# Altium PCB CL-HC-M-V2.2.PcbDoc (part 17 of 18)
Units mil, origin at the board's own origin, x right, y up, seen from the top; angles counter-clockwise.
Board outline 27559.06 x 27559.06 mil, 2 copper layers (TopLayer, BottomLayer); 684 components, 528 nets, 2380 pads, 1851 vias.
Unrouted connection lines stored in the file: 1268.
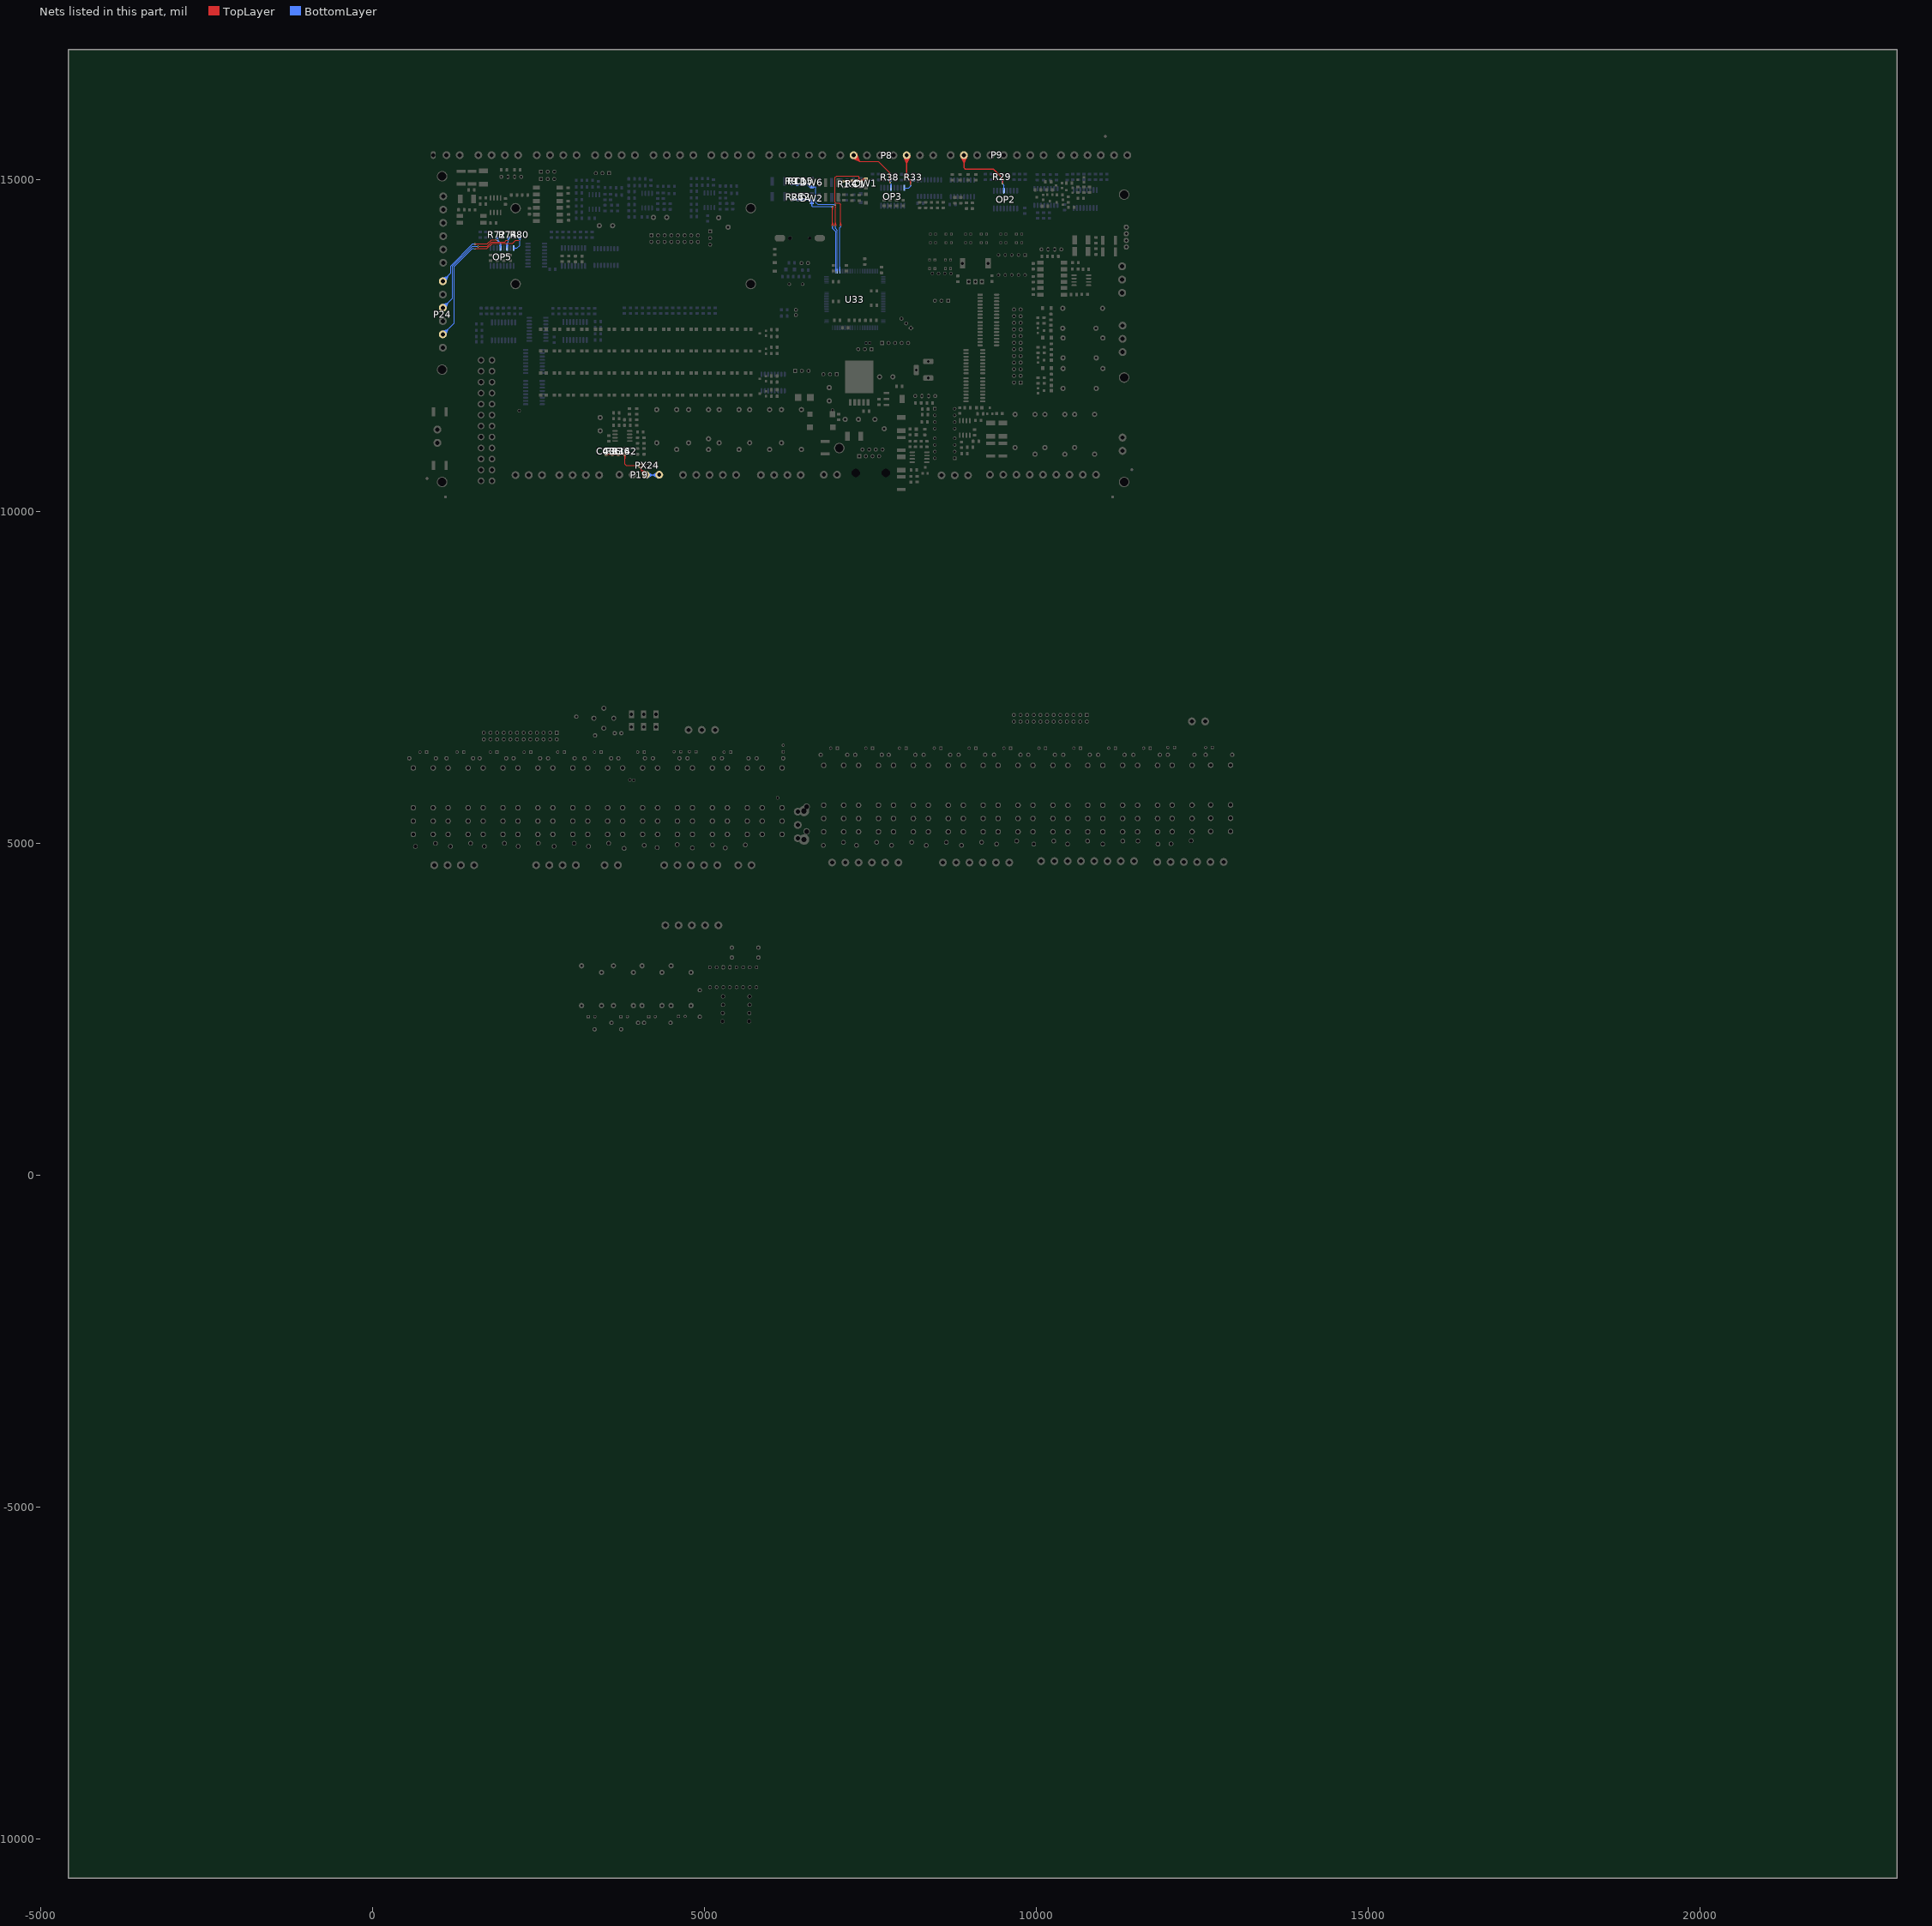
[diagram p17: the nets of this part, all layers, seen from the top]

## Via types
v1: diameter 25, hole 15, TopLayer to BottomLayer, tented both sides, 1813 vias
v2: diameter 20, hole 12, TopLayer to BottomLayer, tented both sides, 24 vias
v3: diameter 25, hole 15, TopLayer to BottomLayer, 13 vias
v4: diameter 40, hole 24, TopLayer to BottomLayer, tented both sides, 1 vias

## Nets (pads, with @x,y where several pads share a name; then routed paths per layer and width w, separated by ;. In a path a pad name is that pad's centre, name@x,y a point inside that pad or via, vN(x,y) a via of type N, cw(c..) or ccw(c..) an arc to the next point about the centre after c; other vN are vias at no path point) (continued)
自动门开关4: OP5.4 P24.6 R72.2 | length 3367
  TopLayer w10: v1(1543.41,14032.26) 1728.76,14032.26 1791.05,14094.55 v1(1877.38,14094.55) ; v1@1544.07,14024.79 1585.91,14032.26 v1@1544.07,14039.73 ; v1@1876.71,14087.08 1834.88,14094.55 v1@1876.71,14102.02
  BottomLayer w10: P24.6@1030.62,13515.42 1138.91,13549.47 ; P24.6@1034.13,13505.8 1138.91,13549.47 ; P24.6@1038.45,13496.62 1138.91,13549.47 ; P24.6@1043.53,13487.92 1138.91,13549.47 ; P24.6@1049.34,13479.73 1138.91,13549.47 ; P24.6@1058.64,13469.2 1181.72,13592.27 1181.72,13701.21 1512.77,14032.26 ; P24.6@1069.18,13459.9 1138.91,13549.47 ; P24.6@1077.36,13454.09 1138.91,13549.47 ; P24.6@1086.06,13449 1138.91,13549.47 ; P24.6@1095.25,13444.68 1138.91,13549.47 ; P24.6@1104.87,13441.18 1138.91,13549.47 ; v1@1542.49,14024.82 1512.77,14032.26 ; v1@1542.49,14039.71 1512.77,14032.26 ; v1@1870.27,14092.16 R72.2@1862.72,14126.35 ; v1@1870.94,14098.4 R72.2@1892.03,14126.35 ; v1@1872.51,14088.85 1911.09,14060.84 v1@1883.08,14099.42 ; v1@1883.81,14098.4 R72.2@1862.72,14126.35 ; v1@1884.48,14092.16 R72.2@1892.03,14126.35 ; OP5.4@1917.82,14001.17 1927.76,14044.16 ; OP5.4@1927.76,13970.04 1927.76,14044.16 ; OP5.4@1927.76,14000.04 1927.76,14044.16 ; OP5.4@1937.69,14001.17 1927.76,14044.16 ; 1512.77,14032.26 v1(1543.41,14032.26) 1512.77,14032.26 ; R72.2@1862.72,14126.35 v1(1877.38,14094.55) ; R72.2@1862.72,14126.35 v1(1877.38,14094.55) ; v1(1877.38,14094.55) R72.2@1877.38,14129.57 ; v1(1877.38,14094.55) 1927.76,14044.16 ; v1(1877.38,14094.55) R72.2@1892.03,14126.35 ; v1(1877.38,14094.55) R72.2@1877.38,14129.57 ; R72.2@1877.38,14129.57 1869.92,14095.35 R72.2@1877.38,14129.57 ; R72.2@1877.38,14129.57 1884.83,14095.35 R72.2@1877.38,14129.57
自动门开关5: OP5.6 P24.4 R74.2 | length 3623.8
  TopLayer w10: v1@1590.34,14001.77 1632.42,13995.41 ; v1@1590.74,13986.84 1632.42,13995.41 ; v2(2048.21,14084.71) 2012.5,14084.71 1991.24,14063.45 1796.8,14063.45 1728.76,13995.41 1588.76,13995.41 v1(1589.88,13994.29) 1632.42,13995.41
  BottomLayer w10: P24.4@1030.62,13115.42 1138.91,13149.47 ; P24.4@1034.13,13105.8 1138.91,13149.47 ; P24.4@1038.45,13096.62 1138.91,13149.47 ; P24.4@1043.53,13087.92 1138.91,13149.47 ; P24.4@1049.34,13079.73 1138.91,13149.47 ; P24.4@1058.64,13069.2 1205.52,13216.07 1205.52,13696.72 1503.09,13994.29 v1(1589.88,13994.29) 1547.38,13994.29 ; P24.4@1069.18,13059.9 1138.91,13149.47 ; P24.4@1077.36,13054.09 1138.91,13149.47 ; P24.4@1086.06,13049 1138.91,13149.47 ; P24.4@1095.25,13044.68 1138.91,13149.47 ; P24.4@1104.87,13041.18 1138.91,13149.47 ; v1@1589.22,13986.82 1547.38,13994.29 ; v1@1589.22,14001.76 1547.38,13994.29 ; OP5.6@2017.83,14001.19 2027.76,14043.28 ; OP5.6@2027.76,13970.04 2027.76,14043.28 ; OP5.6@2027.76,14000.04 2027.76,14043.28 ; R74.2@2032.54,14126.11 2047.38,14078.36 R74.2@2062.21,14126.11 ; R74.2@2033.55,14122.87 v2(2048.21,14084.71) ; OP5.6@2037.69,14001.19 2027.76,14043.28 ; R74.2@2047.38,14124.73 v2(2048.21,14084.71) ; R74.2@2047.38,14128.36 2047.38,14062.9 ; R74.2@2061.28,14123.13 v2(2048.21,14084.71) ; 2027.76,14043.28 2047.38,14062.9 ; 2047.38,14062.9 v2(2048.21,14084.71)
自动门开关6: OP5.8 P24.2 R80.2 | length 4206.1
  TopLayer w10: v1(1542.26,13963.11) 1724.74,13963.11 1805.08,14043.45 2113.53,14043.45 2155.07,14084.99 v2(2217.72,14085) ; v1@1542.92,13955.64 1584.76,13963.11 v1@1542.92,13970.58 ; 2177.72,14084.99 v2(2217.72,14085)
  BottomLayer w10: P24.2@1030.62,12715.42 1138.91,12749.47 ; P24.2@1034.13,12705.8 1138.91,12749.47 ; P24.2@1038.45,12696.62 1138.91,12749.47 ; P24.2@1043.53,12687.92 1138.91,12749.47 ; P24.2@1049.34,12679.73 1138.91,12749.47 ; P24.2@1058.64,12669.2 1230.46,12841.02 1230.46,13693.38 1500.19,13963.11 ; P24.2@1069.18,12659.9 1138.91,12749.47 ; P24.2@1077.36,12654.09 1138.91,12749.47 ; P24.2@1086.06,12649 1138.91,12749.47 ; P24.2@1095.25,12644.68 1138.91,12749.47 ; P24.2@1104.87,12641.18 1138.91,12749.47 ; v1@1541.59,13955.64 1500.19,13963.11 ; v1@1541.59,13970.58 1500.19,13963.11 ; OP5.8@2127.76,13970.04 2175.61,13970.04 2217.38,14011.81 R80.2@2217.38,14128.36 ; OP5.8@2128.87,13960.1 2172.76,13970.04 OP5.8@2128.87,13979.98 ; R80.2@2202.54,14126.11 2217.38,14078.36 R80.2@2232.21,14126.11 ; R80.2@2203.44,14123.22 v2(2217.72,14085) ; 2217.38,14045 v2(2217.72,14085) ; R80.2@2217.38,14125 v2(2217.72,14085) ; R80.2@2231.34,14123.33 v2(2217.72,14085) ; 1500.19,13963.11 v1(1542.26,13963.11) 1500.19,13963.11
设定温度: C15.1 DW6.K R9.1 R13.2 U33.41 | length 5150.4
  TopLayer w10: v1@6964.87,14307 6972.33,14348.84 ; v1@6964.87,14626.04 6972.34,14584.2 ; v1(6972.34,14306.34) v1(6972.34,14626.7) 6972.34,14584.2 ; v1(6972.34,14306.34) 6972.33,14348.84 ; v1@6979.81,14307 6972.33,14348.84 ; v1@6979.81,14626.04 6972.34,14584.2
  BottomLayer w10: DW6.K@6621.61,14893.35 6668.46,14893.35 ; DW6.K@6626.61,14893.35 6668.46,14893.35 ; DW6.K@6627.8,14883.42 6668.46,14893.35 ; DW6.K@6627.8,14903.28 6668.46,14893.35 ; DW6.K@6631.39,14873.93 6668.46,14893.35 ; DW6.K@6631.39,14912.77 6668.46,14893.35 ; v1@6964.88,14305.6 6972.34,14268.25 ; v1@6971.68,14619.23 6929.84,14626.7 ; v1@6971.68,14634.17 6929.84,14626.7 ; v1@6979.81,14305.6 6972.34,14268.25 ; U33.41@7002.7,13622.58 7002.7,14237.89 6972.34,14268.25 ; U33.41@7002.7,13652.83 7002.7,13687.58 ; 6668.46,14893.35 6680.75,14881.06 6680.75,14654.44 6708.49,14626.7 v1(6972.34,14626.7) 6929.84,14626.7 ; 6972.34,14268.25 v1(6972.34,14306.34) 6972.34,14268.25
  BottomLayer w15: R9.1@6313.23,14934.91 6539.51,14934.91 ; R9.1@6318.23,14934.91 R13.2@6383.23,14934.91 ; R9.1@6319.43,14922.47 R13.2@6383.23,14934.91 ; R9.1@6319.43,14947.36 R13.2@6383.23,14934.91 ; R13.2@6393.15,14920.81 R9.1@6332.17,14944.87 ; R13.2@6393.91,14945.03 R9.1@6330.77,14924.68 ; R13.2@6395.01,14920.42 R9.1@6331.56,14934.91 ; R13.2@6395.01,14920.42 R9.1@6331.45,14934.91 ; R13.2@6395.81,14945.29 R9.1@6331.56,14934.91 ; R13.2@6395.81,14945.29 R9.1@6331.45,14934.91 ; R13.2@6396.96,14920.32 R9.1@6330.77,14924.68 ; R13.2@6397.72,14945.27 R9.1@6332.17,14944.87 ; R13.2@6406.19,14945.31 6471.46,14941.24 ; R13.2@6406.32,14920.32 6474.3,14925.02 ; R13.2@6407.41,14945.29 6471.67,14934.91 ; R13.2@6407.45,14920.35 C15.1@6496.61,14932.63 ; R13.2@6407.5,14945.29 C15.1@6496.61,14932.63 ; R13.2@6408.21,14920.42 6471.67,14934.91 ; R13.2@6409.17,14945.05 6474.3,14925.02 ; R13.2@6409.39,14920.63 6471.46,14941.24 ; C15.1@6494.97,14920.24 6431.53,14934.91 ; C15.1@6495.84,14945.11 6431.53,14934.91 ; C15.1@6506.61,14932.63 6539.51,14934.91 ; C15.1@6508.12,14945.04 6539.51,14934.91 ; C15.1@6509.82,14920.55 6539.51,14934.91 ; DW6.K@6612.3,14876.39 6581.08,14893.35 ; DW6.K@6612.3,14910.31 6581.08,14893.35 ; DW6.K@6616.61,14893.35 6581.08,14893.35 ; DW6.K@6621.61,14893.35 6581.08,14893.35 ; R9.1@6330.77,14924.68 R13.2@6396.61,14932.82 ; R9.1@6331.45,14934.91 R13.2@6396.61,14932.82 ; R9.1@6331.56,14934.91 R13.2@6396.61,14932.82 ; R9.1@6332.17,14944.87 R13.2@6396.61,14932.82 ; R13.2@6406.61,14932.82 6471.67,14934.91 ; R13.2@6406.61,14932.82 6474.3,14925.02 ; R13.2@6406.61,14932.82 6431.53,14934.91 ; R13.2@6406.61,14932.82 C15.1@6496.61,14932.63 ; R13.2@6406.61,14932.82 6431.53,14934.91 ; R13.2@6406.61,14932.82 6471.46,14941.24 ; R13.2@6406.61,14932.82 6431.53,14934.91 ; R13.2@6408.71,14945.14 6431.53,14934.91 ; R13.2@6408.71,14945.14 6431.53,14934.91 ; R13.2@6408.71,14945.14 6431.53,14934.91 ; R13.2@6410.73,14921.02 6431.53,14934.91 ; R13.2@6410.73,14921.02 6431.53,14934.91 ; R13.2@6410.73,14921.02 6431.53,14934.91 ; 6431.53,14934.91 C15.1@6496.61,14932.63 ; 6539.51,14934.91 6581.08,14893.35
设定湿度: C2.1 DW2.K R2.1 R5.2 U33.40 | length 3226.6
  TopLayer w10: v1@6925.59,14307 6933.06,14348.84 ; v1@6925.6,14592.96 6933.07,14551.12 v1@6940.54,14592.96 ; v1(6933.07,14593.62) v1(6933.06,14306.34) 6933.06,14348.84 ; v1@6940.53,14307 6933.06,14348.84
  BottomLayer w10: DW2.K@6600.45,14653.3 6620.11,14602.95 ; DW2.K@6610.15,14656.08 6620.11,14602.95 ; DW2.K@6620.11,14657 6620.11,14602.95 ; DW2.K@6630.06,14656.08 6620.11,14602.95 ; DW2.K@6639.76,14653.3 6620.11,14602.95 ; v1@6925.59,14305.65 6933.06,14265.78 ; v1@6932.41,14586.15 6890.57,14593.62 ; v1@6932.41,14601.09 6890.57,14593.62 ; v1@6940.53,14305.65 6933.06,14265.78 ; U33.40@6983.02,13622.58 6983.02,14215.82 6933.06,14265.78 ; U33.40@6983.02,13652.83 6983.02,13687.58 ; 6620.11,14602.95 6629.43,14593.62 v1(6933.07,14593.62) 6890.57,14593.62 ; 6933.06,14265.78 v1(6933.06,14306.34) 6933.06,14265.78
  BottomLayer w20: R2.1@6321.73,14697 R5.2@6410.11,14697 6607.67,14697 ; R2.1@6325.11,14697 6405.11,14697 6326.73,14697 R5.2@6406.73,14697 ; R5.2@6424.52,14697 C2.1@6505.11,14704.28 ; C2.1@6494.99,14703.37 6415.11,14697 C2.1@6495.11,14697 ; C2.1@6515.11,14704.28 6595.69,14697 ; DW2.K@6600.11,14657.02 6607.67,14697 ; DW2.K@6615.11,14657 6607.67,14697 ; DW2.K@6629.1,14662.42 6607.67,14697 ; 6607.67,14697 6620.11,14684.56 ; 6620.11,14684.56 DW2.K@6620.11,14657 6620.11,14684.56 ; 6620.11,14684.56 6605.67,14661.08 6620.11,14684.56 ; 6620.11,14684.56 6634.54,14661.08 6620.11,14684.56
防冻: OP3.4 P8.2 R38.2 | length 1895.5
  TopLayer w15: P8.2@7219.92,15324.03 7339.2,15276.18 ; P8.2@7226.41,15337.8 7339.2,15276.18 ; P8.2@7234.41,15350.59 7339.2,15276.18 ; P8.2@7248.32,15367.06 7341.64,15273.74 7622.04,15273.74 7797.81,15097.97 v3(7797.81,14955.32) ; P8.2@7264.79,15380.97 7339.2,15276.18 ; P8.2@7277.58,15388.97 7339.2,15276.18 ; P8.2@7291.35,15395.46 7339.2,15276.18
  BottomLayer w15: R38.2@7810.16,14994.03 v3(7797.81,14955.32) ; OP3.4@7812.38,14877.24 7812.38,14940.76 ; OP3.4@7812.38,14907.24 7812.38,14940.76 ; v3(7797.81,14955.32) 7812.38,14940.76 ; v3(7797.81,14955.32) R38.2@7797.81,14995.95 v3(7797.81,14955.32) ; v3(7797.81,14955.32) 7785.46,14994.03 v3(7797.81,14955.32)
预热温感: C1.1 DW1.K R1.1 R4.2 U33.43 | length 4045.6
  TopLayer w10: v1@7043.44,14307 7050.92,14348.84 ; v1@7058.38,14307 7050.92,14348.84 ; C1.1@7317.93,14977.29 7332.76,15025.04 ; C1.1@7332.76,14975.04 7332.76,15025.04 ; C1.1@7332.76,14985.04 7332.76,15035.9 7314.67,15053.99 6991.57,15053.99 6971.36,15033.78 6971.36,14663.99 6989.36,14645.99 7033.31,14645.99 7050.92,14628.38 v1(7050.91,14306.34) 7050.92,14348.84 ; C1.1@7347.59,14977.29 7332.76,15025.04
  TopLayer w20: R1.1@7102.76,14975.04 7359.53,14975.04 ; R1.1@7107.76,14975.04 7187.76,14975.04 R4.2@7217.76,14980.04 ; 7247.76,14975.04 C1.1@7327.76,14975.04 ; C1.1@7308.09,14975.04 7227.76,14980.04 C1.1@7311.57,14975.04 ; DW1.K@7419.64,15022.65 7359.53,14975.04 ; DW1.K@7421.31,15023.58 C1.1@7341.04,14977.06 ; DW1.K@7431.94,14995.63 C1.1@7341.04,14977.06 ; DW1.K@7432.76,15010.04 7394.53,15010.04 ; DW1.K@7433.27,14996.09 7359.53,14975.04 ; R4.2@7217.76,14980.04 7137.45,14975.04 R4.2@7217.76,14980.04 ; C1.1@7337.76,14975.04 7359.53,14975.04 ; C1.1@7337.76,14975.04 7394.53,15010.04 ; C1.1@7337.76,14975.04 7359.53,14975.04 ; C1.1@7341.04,14977.06 DW1.K@7427.76,15010.04 ; 7359.53,14975.04 7394.53,15010.04 ; 7359.53,14975.04 DW1.K@7427.76,15010.04 ; 7394.53,15010.04 DW1.K@7424.37,14995.42 ; 7394.53,15010.04 DW1.K@7424.37,15024.65 ; 7394.53,15010.04 DW1.K@7427.76,15010.04 ; 7394.53,15010.04 DW1.K@7424.37,14995.42 ; 7394.53,15010.04 DW1.K@7424.37,15024.65 ; 7394.53,15010.04 DW1.K@7427.76,15010.04 ; 7394.53,15010.04 DW1.K@7424.37,14995.42 ; 7394.53,15010.04 DW1.K@7424.37,15024.65 ; 7394.53,15010.04 DW1.K@7427.76,15010.04
  BottomLayer w10: U33.43@7042.07,13622.58 7042.07,14279.59 7050.91,14288.43 ; U33.43@7042.07,13652.83 7042.07,13687.58 ; v1@7043.58,14304.77 7050.91,14288.43 ; v1@7058.24,14304.77 7050.91,14288.43 ; 7050.91,14288.43 v1(7050.91,14306.34) 7050.91,14288.43
预高温: OP3.8 P8.6 R33.2 | length 1357.8
  TopLayer w20: P8.6@8000.32,15356.95 8048.32,15248 ; P8.6@8019.48,15363.51 8048.32,15248 ; P8.6@8048.32,15367.06 8048.32,15043.84 8107.62,14984.55 v1(8107.62,14925.26) ; P8.6@8077.16,15363.51 8048.32,15248 ; P8.6@8096.32,15356.95 8048.32,15248
  BottomLayer w15: OP3.8@8012.38,14877.24 8082.14,14877.24 8109.03,14904.13 ; 8109.03,14982.81 v1(8107.62,14925.26) 8109.03,14904.13 ; R33.2@8145.39,14983.69 8115.53,14995.95 ; R33.2@8145.39,15008.22 8115.53,14995.95 ; R33.2@8147.81,14995.95 8115.53,14995.95 ; R33.2@8152.81,14995.95 8115.53,14995.95 ; 8109.03,14904.13 8109.03,14989.45 8115.53,14995.95
频率输出: C36.2 C43.1 P19.3 P19.4 PX24.1 R136.2 R142.2 | length 6647.6
  TopLayer w15: C43.1@3519,10863.14 C36.2@3612.77,10863.14 R136.2@3704.39,10863.14 R142.2@3801.46,10863.14 ; C43.1@3523.42,10850.65 C36.2@3590.63,10853.8 ; C43.1@3523.42,10875.62 C36.2@3590.63,10872.47 ; C43.1@3526.88,10850.97 C36.2@3590.63,10872.47 ; C43.1@3526.88,10875.3 C36.2@3590.63,10853.8 ; C36.2@3606.57,10850.69 C43.1@3542.77,10863.14 ; C36.2@3606.57,10875.58 C43.1@3542.77,10863.14 ; C36.2@3607.77,10863.14 C43.1@3542.77,10863.14 ; C36.2@3617.77,10863.14 R136.2@3682.77,10863.14 ; C36.2@3618.97,10850.69 R136.2@3682.77,10863.14 ; C36.2@3618.97,10875.58 R136.2@3682.77,10863.14 ; R136.2@3696.43,10850.99 C36.2@3633.73,10872.7 ; R136.2@3696.43,10875.28 C36.2@3633.73,10853.57 ; R136.2@3700.02,10850.65 C36.2@3633.73,10853.57 ; R136.2@3700.02,10875.62 C36.2@3633.73,10872.7 ; R136.2@3709.39,10863.14 3774.39,10863.14 ; R136.2@3710.6,10850.69 3774.39,10863.14 ; R136.2@3710.6,10875.58 3774.39,10863.14 ; R142.2@3789.02,10861.93 3801.46,10798.14 R142.2@3813.9,10861.93 ; R142.2@3793.69,10850.95 3731.03,10871.59 ; R142.2@3793.69,10875.33 3731.03,10854.68 ; R142.2@3796.88,10850.64 3731.03,10854.68 ; R142.2@3796.88,10875.63 3731.03,10871.59 ; R142.2@3797.58,10858.94 R142.2@3801.46,10863.14 ; PX24.1@4017.3,10687.54 4038.92,10634.29 ; PX24.1@4035.67,10669.98 3964.4,10691.76 PX24.1@4035.67,10713.55 ; PX24.1@4060.54,10687.54 4038.92,10634.29 ; P19.3@4075.81,10526.39 4038.92,10634.29 ; P19.3@4089.9,10532.29 4038.92,10634.29 ; P19.3@4102.94,10539.93 4038.92,10634.29 ; P19.3@4133.29,10570.28 4038.92,10634.29 ; P19.3@4140.93,10583.32 4038.92,10634.29 ; P19.3@4146.83,10597.41 4038.92,10634.29 ; C43.1@3524,10863.14 C36.2@3589,10863.14 ; C43.1@3524,10863.14 C36.2@3590.63,10853.8 ; C43.1@3524,10863.14 C36.2@3590.63,10872.47 ; C43.1@3524,10863.14 C36.2@3589,10863.14 ; C36.2@3589,10863.14 3525.2,10875.58 C36.2@3589,10863.14 ; C36.2@3589,10863.14 3525.2,10850.69 C36.2@3589,10863.14 ; C36.2@3633.73,10853.57 R136.2@3699.39,10863.14 ; C36.2@3633.73,10872.7 R136.2@3699.39,10863.14 ; C36.2@3634.39,10863.14 3698.19,10850.69 C36.2@3634.39,10863.14 ; C36.2@3634.39,10863.14 3698.19,10875.58 C36.2@3634.39,10863.14 ; C36.2@3634.39,10863.14 R136.2@3699.39,10863.14 ; C36.2@3634.39,10863.14 R136.2@3699.39,10863.14 ; 3731.03,10854.68 R142.2@3796.46,10863.14 ; 3731.03,10871.59 R142.2@3796.46,10863.14 ; 3731.46,10863.14 3795.26,10850.69 3731.46,10863.14 ; 3731.46,10863.14 3795.26,10875.58 3731.46,10863.14 ; 3731.46,10863.14 R142.2@3796.46,10863.14 ; 3731.46,10863.14 R142.2@3796.46,10863.14 ; 3774.39,10863.14 R142.2@3792.92,10851.15 ; 3774.39,10863.14 R142.2@3792.92,10875.12 ; 3774.39,10863.14 R142.2@3796.46,10863.14 ; 3774.39,10863.14 R142.2@3792.92,10851.15 ; 3774.39,10863.14 R142.2@3792.92,10875.12 ; 3774.39,10863.14 R142.2@3796.46,10863.14 ; 3774.39,10863.14 R142.2@3792.92,10851.15 ; 3774.39,10863.14 R142.2@3792.92,10875.12 ; 3774.39,10863.14 R142.2@3796.46,10863.14 ; R142.2@3801.46,10863.14 3801.46,10714.11 3823.8,10691.76 PX24.1@4038.92,10691.76 4038.92,10634.29 ; 4038.92,10634.29 P19.3@4119.56,10553.66 4038.92,10634.29
  BottomLayer w15: P19.3@4119.56,10553.66 P19.4@4319.56,10553.66 ; P19.3@4121.79,10532.22 4223.61,10553.66 ; P19.3@4121.79,10575.1 4223.61,10553.66 ; P19.3@4125.98,10517.67 4223.61,10553.66 ; P19.3@4125.98,10589.65 4223.61,10553.66 ; P19.3@4132.33,10503.71 4223.61,10553.66 ; P19.3@4132.33,10603.61 4223.61,10553.66 ; P19.4@4306.79,10503.71 4215.5,10553.66 ; P19.4@4306.79,10603.61 4215.5,10553.66 ; P19.4@4313.14,10517.67 4215.5,10553.66 ; P19.4@4313.14,10589.65 4215.5,10553.66 ; P19.4@4317.32,10532.22 4215.5,10553.66 ; P19.4@4317.32,10575.1 4215.5,10553.66
高效: OP2.4 P9.2 R29.2 | length 2053.6
  TopLayer w20: P9.2@8862.72,15358.92 8910.72,15249.97 ; P9.2@8881.88,15365.48 8910.72,15249.97 ; P9.2@8910.72,15369.03 8910.72,15182.75 8933.37,15160.1 9356.3,15160.1 9492.32,15024.08 v1(9492.32,14940.39) ; P9.2@8939.56,15365.48 8910.72,15249.97 ; P9.2@8958.72,15358.92 8910.72,15249.97
  BottomLayer w15: R29.2@9477.41,14997.2 v1@9489.85,14938.5 ; R29.2@9477.53,14996.63 v1(9492.32,14940.39) ; OP2.4@9512.76,14865.04 9514.85,14913.5 ; OP2.4@9514.85,14843.5 9514.85,14913.5 ; v1@9489.85,14938.5 R29.2@9489.85,14998.5 v1@9489.85,14938.5 ; v1@9489.85,14938.5 9514.85,14913.5 ; v1@9489.85,14938.5 9502.28,14997.2 v1(9492.32,14940.39) ; v1(9492.32,14940.39) 9489.85,14998.02 v1(9492.32,14940.39) ; v1(9492.32,14940.39) 9514.85,14913.5
pads on no net: BT1. P14.1 P14.2 P14.4 P14.5 P14.7 P14.8 P14.MH1 P14.MH2 PB1'.2 R102.0 R102.3 RL1.5 RL2.5 RL3.5 RL4.5 RL5.5 RL6.5 RL10.5 RL11.5 RL12.5 RL13.5 RL14.5 RL15.5 RL16.5 RL17.5 RL18.5 RL19.5 RL20.5 RL21.5 RL22.5 RL34.3 S8.3 U2.7 U11.1 U11.4 U12.1 U12.4 U15.5 U15.6 U15.7 U15.10 U15.11 U15.12 U26.5 U26.6 U26.7 U26.10 U26.11 U26.12 U28.7 U29.7 U30.7 U31.7 U33.7 U33.106 失效应急.1 失效应急.4
copper on no net:
  other v1: 7968.36,13615.96 8048.36,13615.96 7968.35,13712.67 8048.35,13712.67

## Polygon pours and split planes (outlines as drawn)
485_GND_1 on BottomLayer "BottomLayer-No Net" (solid, remove dead copper, pour order 14): 10250.6,13943.65 10250.6,14062.98 cw(c10350.6,14062.98) 10350.6,14162.98 10356.68,14162.98 11200.86,14162.98 cw(c11200.86,14128.36) 11235.48,14128.36 11235.48,13799.27 ccw(c11253.16,13799.27) 11253.16,13781.59 11373.9,13781.59 cw(c11373.9,13761.76) 11393.74,13761.76 11393.74,13231.77 cw(c11367.22,13231.77) 11367.22,13205.26 10298.41,13205.26 cw(c10298.41,13250.63) 10253.03,13250.63
485-GND1 on BottomLayer "BottomLayer-No Net" (solid, remove dead copper, pour order 12): 8647.38,11334.07 8647.38,11533.36 cw(c8747.38,11533.36) 8747.38,11633.36 8772.38,11633.36 9467.59,11633.36 cw(c9467.59,11533.36) 9567.59,11533.36 9567.59,11509.14 9567.59,10753.15 cw(c9530.6,10753.15) 9530.6,10716.16 8684.57,10716.16 cw(c8684.57,10753.36) 8647.38,10753.36
485_GND_2 on BottomLayer "BottomLayer-No Net" (solid, remove dead copper, pour order 10): 2483.37,14333.15 2485.54,14333.15 ccw(c2485.54,14397.37) 2549.76,14397.37 2549.76,14873.61 ccw(c2479.76,14873.61) 2479.76,14943.61 2109.59,14943.61 cw(c2109.59,14963.08) 2090.12,14963.08 2090.12,15165.12 ccw(c2044.66,15165.12) 2044.66,15210.58 1551.09,15210.58 cw(c1551.09,15276.96) 1484.72,15276.96 1484.72,15357.36 ccw(c1384.72,15357.36) 1384.72,15457.36 1109.51,15457.36 932,15457.36 ccw(c932,15390.96) 865.61,15390.96 865.61,15320.25 865.61,14945.05 ccw(c900.25,14945.05) 900.25,14910.41 1247.52,14910.41 cw(c1247.52,14901.06) 1256.88,14901.06 cw(c1256.88,14888.24) 1269.7,14888.24 1269.7,14621.78 ccw(c1281.24,14621.78) 1281.24,14610.24 1341.85,14610.24 1670.89,14610.24 cw(c1670.89,14548.18) 1732.94,14548.18 1732.94,14500.54 ccw(c1764.68,14500.54) 1764.68,14468.8 1937.88,14468.8 cw(c1937.88,14429.85) 1976.83,14429.85 1976.83,14398.08 ccw(c2041.76,14398.08) 2041.76,14333.15 2477.6,14333.15